# Altium PCB UPS电路3.PcbDoc
Units mm, origin at the board's own origin, x right, y up, seen from the top; angles counter-clockwise.
Board outline 106.3 x 67.31 mm, 2 copper layers (Top Layer, Bottom Layer); 65 components, 39 nets, 219 pads, 31 vias.
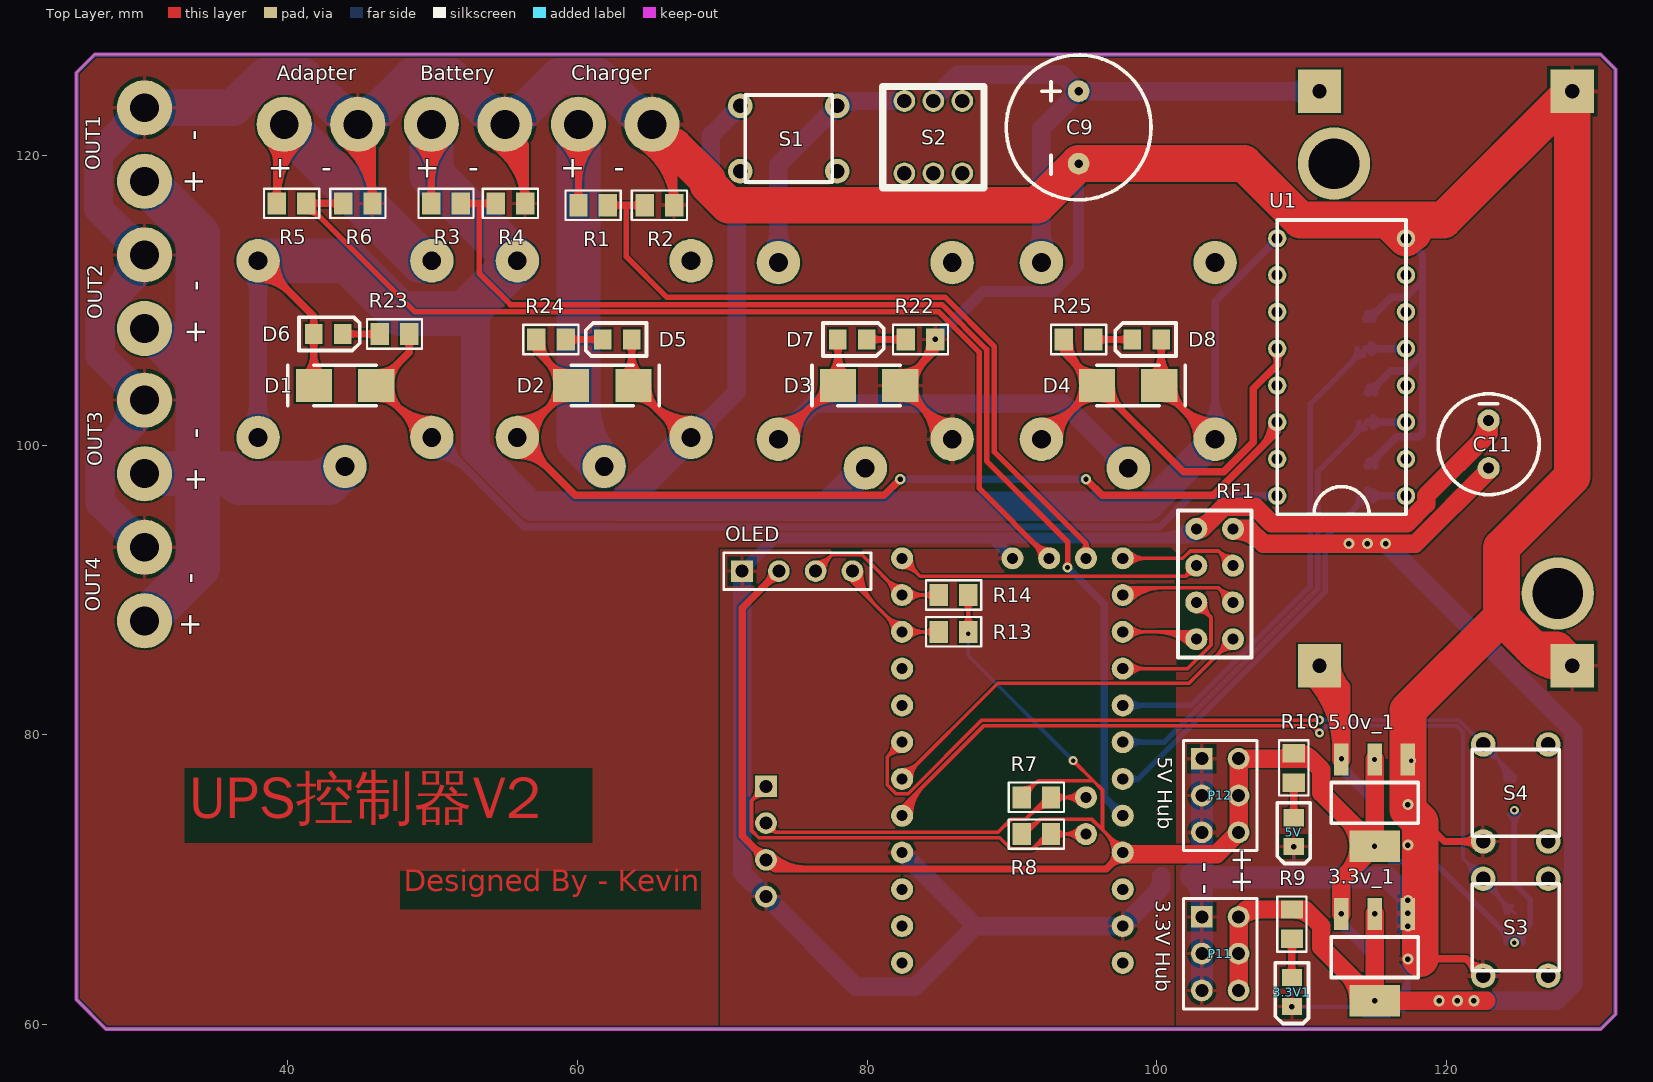
[diagram p0: Top Layer view]
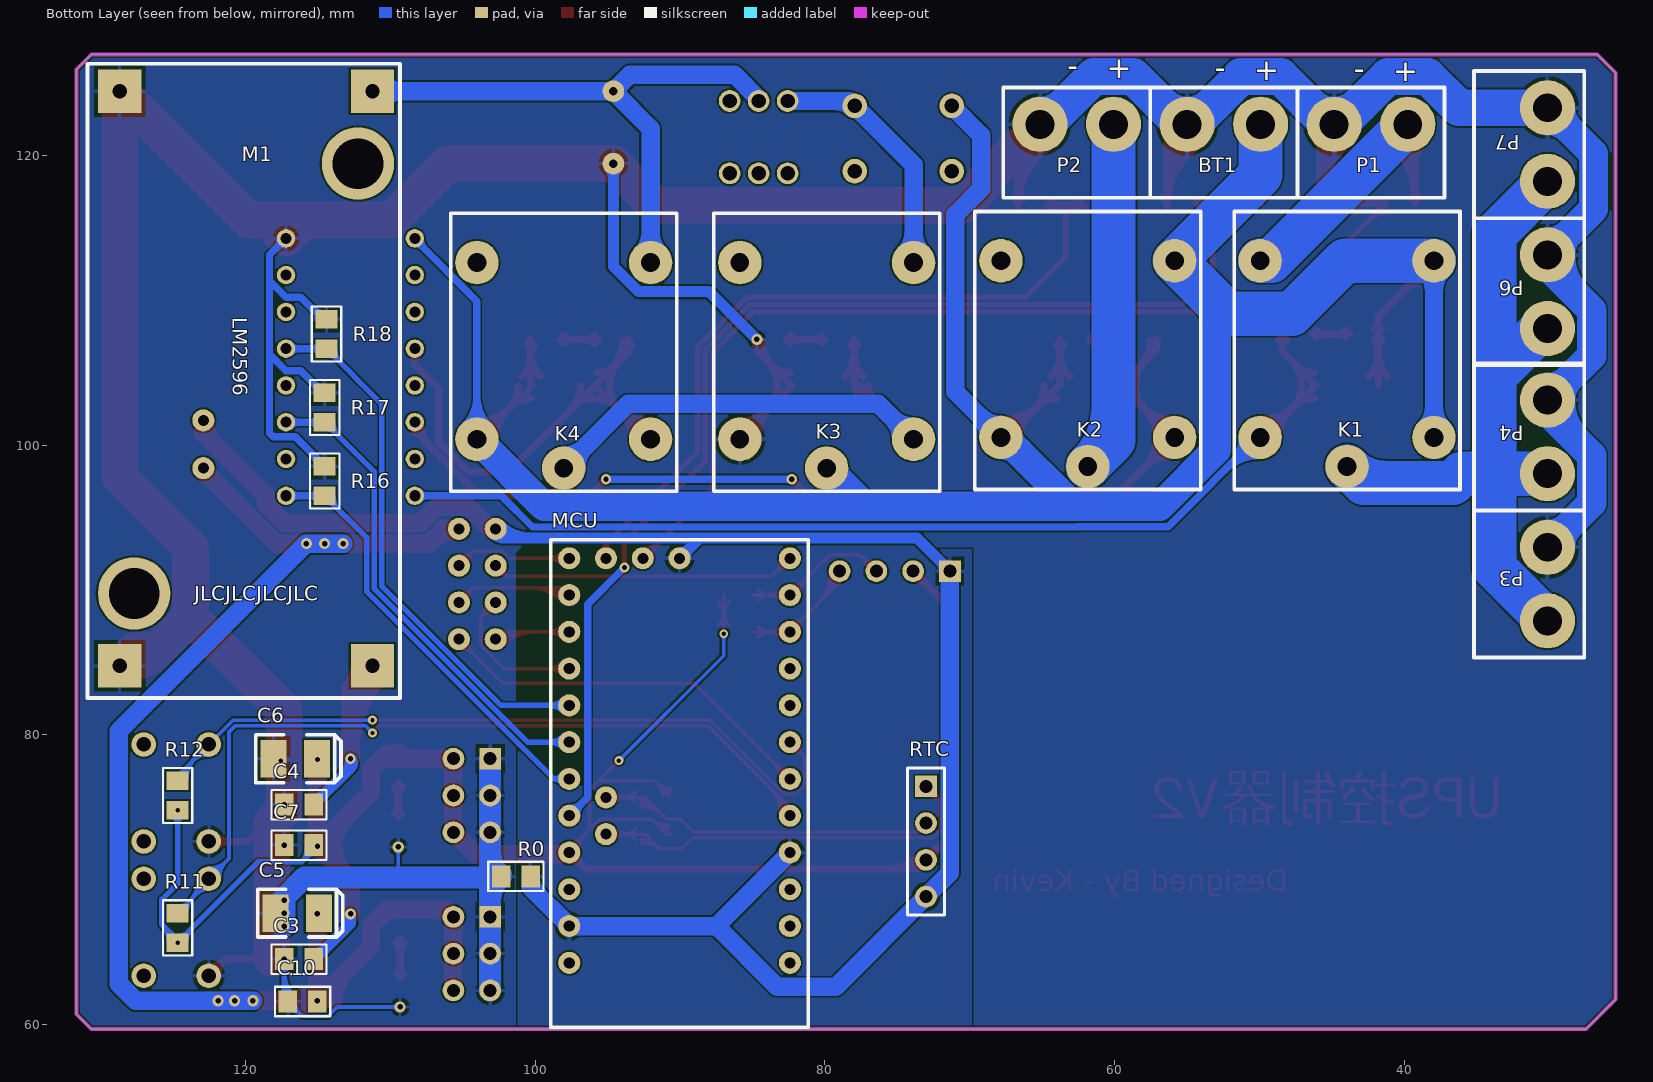
[diagram p1: Bottom Layer view, seen from below]

## Layer stack, top to bottom
Top Solder: solder mask 0.0102, Solder Resist, Dk 3.5
Top Layer: signal copper 0.0356
Dielectric 1: dielectric 0.32, FR-4, Dk 4.8
Bottom Layer: signal copper 0.0356
Bottom Solder: solder mask 0.0102, Solder Resist, Dk 3.5

## Board outline
25.4,61.722 25.4,125.73 26.67,127 130.683,127 131.699,125.984 131.699,60.706 130.683,59.69 27.432,59.69

## Design rules (kind name [scope] priority, off if disabled: settings)
Clearance [All] p1: gap=0.127
PolygonConnect [All] p1: connectstyle=Relief reliefconductorwidth=0.254 reliefentries=4 polygonreliefangle="90 Angle" airgapwidth=0.254
RoutingVias [All] p1: holewidth=0.711 width=1.27 viastyle="Through Hole" minholewidth=0.711 minwidth=1.27 maxholewidth=0.711 maxwidth=1.27
SolderMaskExpansion [All] p1: expansion=0.102
Width [All] p1: maxlimit=5.08 minlimit=0.127 preferedwidth=0.254
29 further rules are at their usual default settings.

## Components (designator, comment, footprint, x,y, rotation, side; value= is the part's Value field where it differs from the comment)
3.3V1 "3.3V1" LED 109.347,63.246 r270 top
3.3v_1 "LM1117_3.3" LC-SOT-223 115.062,64.643 r90 top
5.0v_1 "LM1117_5.0" LC-SOT-223 115.062,75.311 r90 top
5V "3.3V1" LED 109.474,74.295 r270 top
BT1 "12V_Pb" BIG2 49.911,122.174 r0 bottom
C3 "0.1uF" 0805 117.348,64.516 r180 bottom
C4 "0.1uF" 0805 117.348,75.184 r180 bottom
C5 "22uf" LC-CASE-B_3528 116.459,67.691 r180 bottom
C6 "22uf" LC-CASE-B_3528 116.586,78.359 r180 bottom
C7 "1uF" 0805 117.348,72.39 r180 bottom
C9 "470uF" 470uf-2 94.615,124.46 r270 top
C10 "1uF" 0805 117.094,61.595 r180 bottom
C11 "220uF" 220uf 122.936,98.425 r90 top
D1 "1N4007" M7(1N4007) 46.101,104.14 r180 top
D2 "1N4007" M7(1N4007) 59.563,104.14 r0 top
D3 "1N4007" M7(1N4007) 82.296,104.14 r180 top
D4 "1N4007" M7(1N4007) 95.885,104.14 r0 top
D5 "3.3V1" LED 63.754,107.315 r180 top
D6 "3.3V1" LED 41.783,107.696 r0 top
D7 "3.3V1" LED 77.978,107.315 r0 top
D8 "3.3V1" LED 100.33,107.315 r180 top
K1 "Relay-5V" SRD_12VDC_SL_C 43.942,98.552 r90 bottom
K2 "Relay-12V" SRD_12VDC_SL_C 61.849,98.552 r90 bottom
K3 "Relay-12V" SRD_12VDC_SL_C 79.883,98.425 r90 bottom
K4 "Relay-12V" SRD_12VDC_SL_C 98.044,98.425 r90 bottom
M1 "12V-8V" LM2596 111.252,124.46 r270 bottom
MCU "Arduino Pro Mini" Arduino_Promini 82.423,64.262 r90 bottom
OLED "Header 4" HDR1X4 71.374,91.313 r0 top
P1 "Adapter" BIG2 39.751,122.174 r0 bottom
P2 "Charger" BIG2 60.071,122.174 r0 bottom
P3 "Payload4" BIG2 30.099,87.884 r90 bottom
P4 "Payload1" BIG2 30.099,98.044 r90 bottom
P6 "Payload2" BIG2 30.099,108.077 r90 bottom
P7 "Payload3" BIG2 30.099,118.237 r90 bottom
P11 "3.3V Hub" HDR2X3 103.124,67.437 r270 top
P12 "5V Hub" HDR2X3 103.124,78.359 r270 top
R0 "Res2" 0805 102.362,70.231 r180 bottom
R1 "Res Adj2" 0805 60.071,116.586 r0 top
R2 "Res2" 0805 64.643,116.586 r0 top
R3 "Res Adj2" 0805 49.911,116.713 r0 top
R4 "Res2" 0805 54.356,116.713 r0 top
R5 "Res Adj2" 0805 39.243,116.713 r0 top
R6 "Res2" 0805 43.815,116.713 r0 top
R7 "Res2" 0805 92.71,75.692 r180 top
R8 "Res2" 0805 92.71,73.152 r180 top
R9 "1K" 0805 109.347,65.913 r90 top
R10 "1K" 0805 109.474,76.708 r90 top
R11 "Res2" 0805 124.714,65.659 r90 bottom
R12 "Res2" 0805 124.714,74.803 r90 bottom
R13 "Res2" 0805 84.963,87.122 r0 top
R14 "Res2" 0805 84.963,89.662 r0 top
R16 "Res2" 0805 114.554,98.552 r270 bottom
R17 "Res2" 0805 114.554,103.632 r270 bottom
R18 "Res2" 0805 114.427,108.712 r270 bottom
R22 "Res2" 0805 82.677,107.315 r0 top
R23 "Res2" 0805 48.387,107.696 r180 top
R24 "Res2" 0805 59.182,107.315 r180 top
R25 "Res2" 0805 95.631,107.315 r180 top
RF1 "NRF24L01" NRF24L01 102.743,94.234 r0 top
RTC "Header 4" HDR1X4 73.025,76.454 r270 bottom
S1 "SW-SPST" SWITCH6*6*5 71.247,123.444 r0 top
S2 "SW-SPST" Swtich7*7 84.582,121.285 r0 top
S3 "SW-SPST" SWITCH6*6*5 122.555,63.373 r90 top
S4 "SW-SPST" SWITCH6*6*5 122.555,72.644 r90 top
U1 "ULN2003A" ULN2003-DIP16 117.221,96.52 r90 top

## Footprints (in the part's own frame and the unit in brackets; to place one, negate y for a bottom-side part, rotate by r counter-clockwise, add the part's x,y. Pads: shape width x height; smd on the part's side, far side on the other; paste and mask are expansions set on the pad)
220uf [mil]
  round 60 hole 30: 1(0,0) 2(130,0)
  silkscreen extent -72,-137 202,137
470uf-2 [mm]
  round 1.5 hole 0.6: 1(0,0) 2(5,0)
  silkscreen extent -2.5,-5 7.5,5
0805 [mil]
  rect 50x60 smd: 1(0,0) 2(80,0)
  silkscreen extent -35,-40 115,40
Arduino_Promini [mil]
  round 60 hole 30: 1(0,0) 2(100,0) 3(200,0) 4(300,0) 4(1100,300) 5(400,0) 6(500,0) 7(600,0) 8(700,0) 9(800,0) 10(900,0) 11(1000,0) 12(1100,0) 13(1100,600) 14(1000,600) 15(900,600) 16(800,600) 17(700,600) 18(600,600) 19(500,600) 20(400,600) 21(300,600) 22(200,600) 23(100,600) 24(0,600) 31(450,500) 32(350,500) 33(1100,400) 34(1100,500)
  silkscreen extent -175,-50 1150,650
BIG2 [mm]
  round 3.81 hole 2: 1(0,0) 2(5.08,0)
  silkscreen extent -2.54,-2.54 7.62,5.08
HDR1X4 [mm] "Connector; Header; 4 Position"
  rect 1.5x1.5 hole 0.9: 1(0,0)
  round 1.5 hole 0.9: 2(2.54,0) 3(5.08,0) 4(7.62,0)
  silkscreen extent -1.27,-1.27 8.89,1.27
HDR2X3 [mm] "Connector; Header; 3x2 Position"
  rect 1.5x1.5 hole 0.9: 1(0,0)
  round 1.5 hole 0.9: 2(0,2.54) 3(2.54,0) 4(2.54,2.54) 5(5.08,0) 6(5.08,2.54)
  silkscreen extent -1.27,-1.27 6.35,3.81
LC-CASE-B_3528 [mm]
  rect 1.8x2.6 smd: 1(1.5,0) 2(-1.5,0)
  silkscreen extent -2.73,-1.65 3.16,1.65, body extent -1.85,-1.47 1.85,1.46, height 2.03
LC-SOT-223 [mm]
  rect 2.2x1 smd: 1(3,-2.3) 2(3,0) 3(3,2.3)
  rect 2.2x3.5 smd: 2(-3,0)
  silkscreen extent -1.4,-3 1.4,3, body extent -3.49,-3.24 3.49,3.24, height 1.64
LED [mm]
  rect 1.2x1.4 smd: 1(0,0) 2(2,0)
  silkscreen extent -1.02,-1.14 3.17,1.14
LM2596 [mm]
  rect 3x3 hole 1: 1(0,0) 2(0,-17.462) 3(39.687,0) 4(39.687,-17.463)
  round 5 hole 3.5: 5(5,-1) 5(34.688,-16.462)
  silkscreen extent -1.91,-19.69 41.91,1.91
M7(1N4007) [mm]
  rect 2.5x2.3 smd: 1(0,0) 2(4.3,0)
  silkscreen extent 0,-1.4 6.1,1.4
NRF24L01 [mil]
  round 60 hole 30: 1(0,0) 2(100,0) 3(0,-100) 4(100,-100) 5(0,-200) 6(100,-200) 7(0,-300) 8(100,-300)
  silkscreen extent -50,-350 150,50
SRD_12VDC_SL_C [mm]
  round 3 hole 1.3: 1(0,0) 2(14.2,6) 3(14.2,-6) 4(2,6) 5(2,-6)
  silkscreen extent -1.6,-7.8 17.6,7.8
SWITCH6*6*5 [mm]
  round 1.7 hole 1: 1(0,0) 2(6.7,0) 3(0,-4.5) 4(6.7,-4.5)
  silkscreen extent 0.35,-5.25 6.35,0.75
Swtich7*7 [mm]
  round 1.5 hole 1: 1(-2,2.5) 2(0,2.5) 3(2,2.5) 4(-2,-2.5) 4(0,-2.5) 4(2,-2.5)
  silkscreen extent -3.5,-3.5 3.5,3.5
ULN2003-DIP16 [mil]
  round 50 hole 30: 1(0,0) 2(100,0) 3(200,0) 4(300,0) 5(400,0) 6(500,0) 7(600,0) 8(700,0) 9(700,350) 10(600,350) 11(500,350) 12(400,350) 13(300,350) 14(200,350) 15(100,350) 16(0,350)
  silkscreen extent -50,0 750,350

## Part data
3.3V1 5V D5 D6 D7 D8: library part LED, "Typical RED, GREEN, YELLOW, AMBER GaAs LED"
3.3v_1 5.0v_1: library part LM1117
BT1: library part Battery, "Multicell Battery"
C3 C4 C7 C10: library part cap, "Capacitor"
C5 C6: library part Cap2, "Capacitor"
C9: library part "Cap Pol2", "Polarized Capacitor (Axial)"
C11: library part "Cap Pol1", "Polarized Capacitor (Radial)"
D1 D2 D3 D4: library part "Diode 1N4007", "1 Amp General Purpose Rectifier"
K1 K2 K3 K4: library part Relay-SPDT, "Single-Pole Dual-Throw Relay"
M1: library part 12V-5V
OLED RTC: "Header, 4-Pin"
P1 P2 P3 P4 P6 P7: library part "Header 2", "Header, 2-Pin"
P11 P12: library part "Header 3X2", "Header, 3-Pin, Dual row"
R0 R2 R4 R6 R7 R8 R11 R12 R13 R14 R16 R17 R18 R22 R23 R24 R25: "Resistor"
R1 R3 R5: "Variable Resistor"
R9 R10: library part RES2_1, "Resistor"
S1 S2 S3 S4: "Single-Pole, Single-Throw Switch"

## Via types
v1: diameter 0.762, hole 0.381, Top Layer to Bottom Layer, tented both sides, 18 vias
v2: diameter 0.61, hole 0.305, Top Layer to Bottom Layer, tented both sides, 7 vias
v3: diameter 0.711, hole 0.356, Top Layer to Bottom Layer, tented both sides, 6 vias

## Nets (pads, with @x,y where several pads share a name; then routed paths per layer and width w, separated by ;. In a path a pad name is that pad's centre, name@x,y a point inside that pad or via, vN(x,y) a via of type N, cw(c..) or ccw(c..) an arc to the next point about the centre after c; other vN are vias at no path point)
3.3V: 3.3v_1.2 C5.1 C10.2 C11.1 P11.2 P11.4 P11.6 R9.2 RF1.2 | length 112.5
  Top Layer w1.27: RF1.2@105.283,94.107 cw(c105.283,91.212) 107.33,93.259 ; RF1.2 106.355,94.234 107.371,93.218 117.87,93.218 C11.1@122.936,98.284 ; P11.6 P11.4 P11.2 106.172,67.945 R9.2 110.236,67.945 111.379,66.802 111.379,65.326 v1(115.062,61.643) ; P11.2@105.745,67.356 cw(c107.168,65.933) 107.168,67.945 ; R9.2@109.474,67.945 cw(c109.474,66.105) 110.775,67.406 ; 113.159,63.546 cw(c111.255,61.643) 3.3v_1.2@113.947,61.643 ; 3.3v_1.2@114.733,61.972 ccw(c113.939,62.766) 115.062,62.766 ccw(c116.185,62.766) 3.3v_1.2@115.391,61.972 ; 3.3v_1.2@114.82,61.566 cw(c115.632,61.824) 3.3v_1.2@114.894,62.25 ; v1(115.062,67.643) v1(115.062,61.643) ; 3.3v_1.2@115.23,62.25 cw(c114.492,61.824) 3.3v_1.2@115.304,61.566 ; 3.3v_1.2@116.041,61.314 cw(c116.835,60.52) 116.835,61.643 cw(c116.835,62.766) 3.3v_1.2@116.041,61.972 ; 122.761,61.643 v1(121.92,61.643) v1(120.777,61.643) v1(119.507,61.643) v1(115.062,61.643)
  Bottom Layer w1.27: v1(113.284,93.218) v1(115.824,93.218) 128.778,80.264 128.778,62.816 127.605,61.643 v1(121.92,61.643) v1(120.777,61.643) v1(119.507,61.643)
  other v1: 114.554,93.218
5V: 3.3v_1.3 5.0v_1.2 C3.2 C6.1 C7.2 MCU.21 OLED.2 P12.2 P12.4 P12.6 R7.2 R8.2 R10.2 R11.1 R12.1 R13.2 R14.2 RTC.3 | length 193.8
  Top Layer w0.254: R13.2@86.636,87.608 ccw(c85.769,88.475) 86.995,88.475 ccw(c88.221,88.475) R13.2@87.354,87.608 ; R14.2@86.636,89.176 cw(c85.769,88.309) 86.995,88.309 cw(c88.221,88.309) R14.2@87.354,89.176 ; R13.2@86.869,87.121 ccw(c86.566,87.424) 86.995,87.424 ccw(c87.424,87.424) R13.2@87.121,87.121 ; R13.2 R14.2 ; R8.2 90.954,73.152 91.97,74.168 ; R7.2 91.821,76.835 95.631,76.835 ; R7.2@90.678,76.073 ccw(c90.678,76.993) 91.328,76.342 ; R7.2@90.678,76.327 ccw(c90.678,77.86) 91.762,76.776 ; R8.2@90.72,73.53 ccw(c90.889,74.55) 91.62,73.819 ; R8.2@90.761,73.78 ccw(c90.988,75.149) 91.97,74.168 ; R7.2@91.186,75.819 cw(c92.106,75.819) 91.455,76.469 ; v2@94.234,78.054 cw(c94.234,77.625) 94.538,77.928 cw(c94.841,78.232) v2@94.412,78.232 ; v2(94.234,78.232) 95.631,76.835 ; 96.461,73.251 cw(c95.092,71.882) MCU.21@97.028,71.882 ; 96.864,72.848 ccw(c97.663,73.647) MCU.21@97.663,72.517 ; 96.895,72.817 cw(c95.959,71.882) MCU.21@97.282,71.882 ; MCU.21 97.663,72.049 96.266,73.446 ; 91.97,74.168 95.544,74.168 96.266,73.446 ; 95.631,76.835 96.266,76.2 96.266,73.446
  Top Layer w0.508: RTC.3@72.529,71.374 ccw(c71.332,71.374) 72.178,72.221 ccw(c73.025,73.067) RTC.3@73.025,71.87 ; RTC.3@73.017,71.366 ccw(c74.529,72.878) 74.529,70.739 ; RTC.3@73.135,70.89 cw(c73.261,70.34) 73.66,70.739 ; RTC.3@73.376,71.725 ccw(c75.755,74.104) 75.755,70.739 ; OLED.2@73.418,91.313 cw(c72.221,91.313) 73.067,90.466 cw(c73.914,89.62) OLED.2@73.914,90.817 ; RTC.3@73.509,71.264 ccw(c74.059,71.138) 73.66,70.739 ; OLED.2 71.374,88.773 71.374,73.025 RTC.3 73.66,70.739 ; MCU.21@97.155,71.882 cw(c95.929,71.882) 96.796,71.015 cw(c97.663,70.148) MCU.21@97.663,71.374 ; MCU.21 96.52,70.739 73.66,70.739
  Top Layer w1.27: MCU.21@97.778,71.767 104.152,71.767 P12.6 P12.4 P12.2 110.617,78.359 ; 108.427,78.359 ccw(c108.427,79.66) R10.2@109.347,78.74 ; 110.521,78.359 cw(c110.521,79.66) R10.2@109.601,78.74 ; 110.685,78.291 ccw(c109.601,77.207) R10.2@109.601,78.74 ; v1(112.762,67.643) 112.762,70.011 v3(115.062,72.311) ; 113.159,70.408 ccw(c111.255,72.311) 113.947,72.311 ccw(c111.255,72.311) 113.159,74.214 ; 5.0v_1.2@114.733,72.64 ccw(c113.939,73.434) 115.062,73.434 ccw(c116.185,73.434) 5.0v_1.2@115.391,72.64 ; 5.0v_1.2@114.792,72.239 cw(c115.622,72.461) 5.0v_1.2@114.878,72.891 ; v3(115.062,78.311) v3(115.062,72.311) ; 5.0v_1.2@115.246,72.891 cw(c114.502,72.461) 5.0v_1.2@115.332,72.239 ; R10.2@109.601,78.74 cw(c109.69,77.432) 110.617,78.359 ; 110.617,78.359 111.379,77.597 111.379,75.994 v3(115.062,72.311)
  Bottom Layer w0.254: v2@86.869,86.869 cw(c86.566,86.566) 86.995,86.566 cw(c87.424,86.566) v2@87.121,86.869 ; v2(86.995,86.995) 86.995,85.471 v2(94.234,78.232) ; v2@94.056,78.232 ccw(c93.627,78.232) 93.93,78.536 ccw(c94.234,78.839) v2@94.234,78.41
  Bottom Layer w0.381: C7.2@115.062,72.146 cw(c115.062,71.747) 115.344,72.029 cw(c115.626,72.311) C7.2@115.227,72.311 ; v3(115.062,72.311) 116.126,71.247 ; C7.2@115.316,71.819 cw(c115.316,71.243) C7.2@115.723,71.65 ; C7.2@115.759,72.231 ccw(c117.019,72.14) 116.126,71.247 ; 123.738,66.635 cw(c122.763,65.659) R11.1@124.142,65.659 ; 124.045,66.328 ccw(c124.587,66.87) R11.1@124.587,66.103 ; R12.1@124.4,74.489 cw(c123.641,73.73) 124.714,73.73 cw(c125.787,73.73) R12.1@125.028,74.489 ; v2(124.714,74.803) 124.714,69.723 125.793,68.644 125.793,66.924 ; R11.1@124.828,65.659 cw(c125.553,65.659) R11.1@125.041,66.172 ; R11.1@124.904,65.66 cw(c125.773,65.675) R11.1@125.159,66.29 ; R11.1@125.285,65.667 cw(c127.021,65.697) 125.793,66.924 ; 116.126,71.247 119.126,71.247 v2(124.714,65.659) 124.714,65.845 125.793,66.924
  Bottom Layer w0.762: 113.238,66.493 cw(c114.388,67.643) v1(112.762,67.643) 112.762,66.97 115.216,64.516 C3.2 ; 114.494,65.237 ccw(c115.316,66.059) C3.2@115.316,64.897
8V: 5.0v_1.3 C4.2 M1.3 | length 26.2
  Top Layer w1.27: M1.3@110.64,84.161 cw(c105.518,79.039) 5.0v_1.3@112.762,79.039 ; M1.3@111.252,83.908 cw(c111.252,81.819) 112.729,83.296 cw(c114.205,84.773) M1.3@112.117,84.773 ; M1.3 112.762,83.263 5.0v_1.3 ; M1.3@111.538,85.059 cw(c108.584,82.105) 112.762,82.105
  Bottom Layer w0.762: v3@112.751,78.359 ccw(c114.222,78.359) 113.182,77.318 ; v3@112.757,78.376 ccw(c113.112,78.06) 112.776,77.724 ; v3(112.776,78.359) 112.776,77.724 ; 114.666,75.834 ccw(c115.316,76.485) C4.2@115.316,75.565 ; C4.2 112.776,77.724
12V_ADAPTER: K1.2 P1.1 R5.1 | length 33.6
  Top Layer w0.508: P1.1@38.584,121.007 cw(c36.992,119.415) 39.243,119.415 cw(c42.51,119.415) P1.1@40.2,121.725 ; R5.1@38.974,117.109 ccw(c38.323,117.76) 39.243,117.76 ccw(c40.163,117.76) R5.1@39.512,117.109 ; R5.1 39.243,121.666 P1.1 ; R5.1@39.243,116.962 cw(c44.963,116.962) P1.1@40.918,121.007 ; 39.243,118.188 cw(c43.737,118.188) P1.1@40.559,121.366
  Bottom Layer w3.048: P1.1 49.173,112.752 K1.2
12V_BATTERY: BT1.1 D1.2 D2.2 D4.2 D5.1 D6.1 D8.1 K1.3 K1.5 K2.3 K2.4 K3.1 K4.4 R3.1 S1.1 U1.9 | length 270.6
  Top Layer w0.508: K1.3@37.942,111.506 cw(c37.942,108.498) 40.069,110.625 cw(c42.196,112.752) K1.3@39.188,112.752 ; K1.3@37.942,112.014 cw(c37.942,110.232) 39.202,111.492 cw(c40.462,112.752) K1.3@38.68,112.752 ; K1.3 41.783,108.911 D6.1 41.783,104.158 D1.2 ; D1.2@41.167,104.774 ccw(c39.681,106.26) 41.783,106.26 ; D6.1@41.538,107.351 cw(c40.948,106.761) 41.783,106.761 cw(c42.618,106.761) D6.1@42.028,107.351 ; D6.1@41.538,108.041 ccw(c40.948,108.631) 41.783,108.631 ccw(c42.618,108.631) D6.1@42.028,108.041 ; 41.783,106.347 ccw(c44.008,106.347) D1.2@42.435,104.774 ; BT1.1@48.744,121.007 cw(c45.925,118.188) 49.911,118.188 cw(c53.897,118.188) BT1.1@51.078,121.007 ; BT1.1@49.103,121.366 cw(c47.152,119.415) 49.911,119.415 cw(c52.67,119.415) BT1.1@50.719,121.366 ; R3.1@49.642,117.109 ccw(c48.991,117.76) 49.911,117.76 ccw(c50.831,117.76) R3.1@50.18,117.109 ; R3.1 BT1.1 ; D2.2@63.129,104.774 ccw(c61.622,106.281) 63.754,106.281 ; D5.1@63.509,106.97 cw(c62.919,106.38) 63.754,106.38 cw(c64.589,106.38) D5.1@63.999,106.97 ; 63.754,106.325 ccw(c65.948,106.325) D2.2@64.397,104.774 ; D5.1 63.754,104.249 D2.2 67.451,100.552 K2.4 ; D2.2@63.963,103.244 cw(c63.963,101.322) 65.322,102.681 ; D2.2@64.859,104.14 ccw(c67.264,104.14) 65.563,102.44 ; 65.043,102.96 ccw(c67.849,105.767) K2.4@67.849,101.798 ; 65.91,102.093 ccw(c67.849,104.033) K2.4@67.849,101.29 ; 66.003,102 cw(c64.556,100.552) K2.4@66.603,100.552 ; D4.2@99.651,104.774 ccw(c98.013,106.412) 100.33,106.412 ; D8.1@100.085,106.97 cw(c99.495,106.38) 100.33,106.38 cw(c101.165,106.38) D8.1@100.575,106.97 ; D4.2@100.285,103.244 cw(c100.285,101.322) 101.644,102.681 ; 100.33,106.194 ccw(c102.339,106.194) D4.2@100.919,104.774 ; D8.1 100.33,104.285 D4.2 103.9,100.425 K4.4 ; D4.2@101.181,104.14 ccw(c103.586,104.14) 101.885,102.44 ; 101.671,102.654 ccw(c104.044,105.027) K4.4@104.044,101.671 ; 102.019,102.306 cw(c100.138,100.425) K4.4@102.798,100.425 ; 102.538,101.787 ccw(c104.044,103.292) K4.4@104.044,101.163 ; 102.886,101.439 cw(c101.872,100.425) K4.4@103.306,100.425
  Bottom Layer w0.508: K4.4@103.163,101.306 ccw(c101.036,103.433) 104.044,103.433 ccw(c107.052,103.433) K4.4@104.925,101.306 ; K4.4@103.522,100.947 ccw(c102.262,102.207) 104.044,102.207 ccw(c105.826,102.207) K4.4@104.566,100.947 ; K4.4 104.044,109.965 108.331,114.252 U1.9 ; 107.647,113.567 ccw(c106.914,114.3) U1.9@107.95,114.3 ; 107.763,113.684 cw(c108.331,113.115) U1.9@108.331,113.919
  Bottom Layer w1.27: K1.5@37.33,101.164 ccw(c35.854,102.64) 37.942,102.64 ccw(c40.03,102.64) K1.5@38.554,101.164 ; K1.3@37.33,112.14 cw(c35.854,110.664) 37.942,110.664 cw(c40.03,110.664) K1.3@38.554,112.14 ; K1.5 K1.3 ; K2.4 70.993,103.696 70.993,115.951 69.215,117.729 69.215,121.412 S1.1 ; K2.4@67.849,101.417 ccw(c67.849,103.505) 69.326,102.029 ccw(c70.802,100.552) K2.4@68.714,100.552
  Bottom Layer w2.032: 52.19,109.093 52.959,108.324 52.959,99.704 56.881,95.782 99.401,95.782 K4.4 ; 62.954,95.885 67.621,100.552 K2.4 ; 66.633,99.564 cw(c67.849,98.348) K2.4@67.849,100.068 ; 77.343,95.885 K3.1
  Bottom Layer w3.048: K1.3 44.093,112.752 47.752,109.093 52.19,109.093 K2.3 49.911,118.69 BT1.1
12V_MCU: C9.1 K4.3 M1.1 S2.2 | length 47.4
  Bottom Layer w1.27: S2.2 84.582,123.923 86.262,125.603 93.472,125.603 C9.1 ; K4.3@91.432,113.237 ccw(c89.956,114.713) 92.044,114.713 ccw(c94.132,114.713) K4.3@92.656,113.237 ; K4.3 92.044,121.889 C9.1 ; M1.1@110.64,123.848 ccw(c109.164,122.372) 109.164,124.46 ccw(c109.164,126.548) M1.1@110.64,125.072 ; M1.1 C9.1
BATTERYCHARGER: K2.1 P2.1 R1.1 | length 46.7
  Top Layer w0.508: P2.1@58.904,121.007 cw(c56.085,118.188) 60.071,118.188 cw(c64.057,118.188) P2.1@61.238,121.007 ; P2.1@59.263,121.366 cw(c57.312,119.415) 60.071,119.415 cw(c62.83,119.415) P2.1@60.879,121.366 ; R1.1@59.802,116.982 ccw(c59.151,117.633) 60.071,117.633 ccw(c60.991,117.633) R1.1@60.34,116.982 ; R1.1 P2.1
  Bottom Layer w3.048: 60.071,102.787 ccw(c66.084,102.787) K2.1@61.832,98.535 ; P2.1 60.071,100.33 K2.1
DGND: C11.2 MCU.4 MCU.23 OLED.1 R0.2 RF1.1 RTC.4 | length 133.5
  Top Layer w1.27: RF1.1@102.743,94.361 ccw(c102.743,95.596) 103.617,94.723 ; RF1.1@103.128,94.234 104.652,95.758 106.807,95.758 107.95,94.615 117.292,94.615 118.618,95.941 118.618,96.52 122.936,100.838 C11.2 ; 122.091,99.993 ccw(c120.356,101.727) C11.2@122.809,101.727
  Bottom Layer w0.762: OLED.1 73.66,93.599 88.646,93.599 ; OLED.1@71.374,91.682 ccw(c71.374,92.573) 72.004,91.943 ccw(c72.634,91.313) OLED.1@71.743,91.313 ; MCU.4@89.662,92.202 ccw(c88.742,92.202) 89.393,92.852 ccw(c90.043,93.503) MCU.4@90.043,92.583 ; MCU.4@90.043,92.202 88.646,93.599 ; 100.29,93.599 ccw(c100.29,96.687) RF1.1@102.474,94.503 ; 102.13,93.599 ccw(c102.13,94.847) RF1.1@103.012,93.965 ; RF1.1 102.108,93.599 88.646,93.599
  Bottom Layer w1.27: OLED.1 71.374,70.485 RTC.4 79.248,62.611 83.312,62.611 87.503,66.802 ; MCU.4@82.423,71.882 87.503,66.802 ; 99.881,69.02 ccw(c98.797,70.104) R0.2@100.33,70.104 ; R0.2 100.33,69.469 MCU.23 87.503,66.802
GND: 3.3V1.2 3.3v_1.1 5.0v_1.1 5V.2 BT1.2 C3.1 C4.1 C5.2 C6.2 C7.1 C9.2 C10.1 D3.1 K3.4 M1.2 M1.4 P1.2 P2.2 P3.2 P4.2 P6.2 P7.2 P11.1 P11.3 P11.5 P12.1 P12.3 P12.5 R0.1 R2.2 R4.2 R6.2 R16.1 R17.1 R18.1 R22.2 S3.1 S4.1 U1.8 | length 507.1
  Top Layer w0.508: P1.2@43.799,120.886 cw(c40.381,116.62) R6.2@45.847,116.62 ; P1.2@44.116,121.282 cw(c41.228,117.678) 45.847,117.678 ; P1.2@44.434,121.678 cw(c42.076,118.736) 45.847,118.736 ; P1.2@44.752,122.075 cw(c42.924,119.794) 45.847,119.794 ; R6.2@45.578,117.109 ccw(c44.927,117.76) 45.847,117.76 ccw(c46.767,117.76) R6.2@46.116,117.109 ; R6.2 P1.2@45.847,121.158 ; BT1.2@54.087,120.792 cw(c51.303,116.537) R4.2@56.388,116.537 ; BT1.2@54.365,121.218 cw(c51.918,117.477) 56.388,117.477 ; BT1.2@54.643,121.643 cw(c52.532,118.416) 56.388,118.416 ; BT1.2@54.921,122.068 cw(c53.147,119.356) 56.388,119.356 ; BT1.2@55.2,122.493 cw(c53.762,120.295) 56.388,120.295 ; R4.2@56.119,117.109 ccw(c55.468,117.76) 56.388,117.76 ccw(c57.308,117.76) R4.2@56.657,117.109 ; R4.2 56.388,120.777 ; P2.2@64.263,120.782 cw(c61.456,116.382) R2.2@66.675,116.382 ; P2.2@64.536,121.21 cw(c62.047,117.309) R2.2@66.675,117.309 ; P2.2@64.809,121.639 cw(c62.638,118.236) 66.675,118.236 ; P2.2@65.083,122.067 cw(c63.23,119.162) 66.675,119.162 ; P2.2 66.675,120.65 ; P2.2@65.356,122.495 cw(c63.821,120.089) 66.675,120.089 ; P2.2@65.974,120.743 cw(c66.264,120.239) 66.675,120.65 ; R2.2@66.406,116.982 ccw(c65.755,117.633) 66.675,117.633 ccw(c67.595,117.633) R2.2@66.944,116.982 ; P2.2@66.582,121.351 ccw(c67.086,121.061) 66.675,120.65 ; R2.2 66.675,120.65 ; D3.1@82.396,103.244 cw(c82.396,101.322) 83.755,102.681 ; D3.1@82.396,105.036 ccw(c82.396,106.958) 83.755,105.599 ; 83.61,105.454 ccw(c81.875,107.188) R22.2@84.328,107.188 ; 83.665,102.771 cw(c81.32,100.425) K3.4@84.637,100.425 ; 83.974,102.462 ccw(c85.883,104.37) K3.4@85.883,101.671 ; 83.996,102.44 cw(c85.697,104.14) 83.292,104.14 cw(c85.697,104.14) 83.996,105.84 ; 84.477,106.321 ccw(c83.61,107.188) R22.2@84.836,107.188 ; 84.533,101.903 cw(c83.054,100.425) K3.4@85.145,100.425 ; R22.2@84.625,107.22 cw(c84.373,106.934) R22.2@84.741,106.835 ; v1(84.709,107.315) 84.709,106.553 D3.1 85.883,100.553 K3.4 ; 84.842,101.594 ccw(c85.883,102.636) K3.4@85.883,101.163 ; v1(117.348,75.184) 117.362,75.17 119.888,72.644 S4.1 ; 118.209,64.544 121.384,64.544 S3.1 ; S3.1@121.959,63.373 ccw(c120.52,63.373) 121.538,64.39 ccw(c122.555,65.408) S3.1@122.555,63.969 ; S4.1@122.134,72.223 ccw(c121.116,71.205) 121.116,72.644 ccw(c121.116,74.083) S4.1@122.134,73.065